# Altium PCB CGRA_Board_3.PcbDoc (part 6 of 7)
Units mil, origin at the board's own origin, x right, y up, seen from the top; angles counter-clockwise.
Board outline 10143 x 5538 mil, 10 copper layers (Top Layer, GND, Int2 (Sign), 1V8, Int4 (Sign), Int5 (Sign), 0V8_OUT, Int7 (Sign), GND (Plane4), Bottom Layer), stack 59.156 mil thick; 266 components, 396 nets, 2084 pads, 2900 vias.
Unrouted connection lines stored in the file: 464.
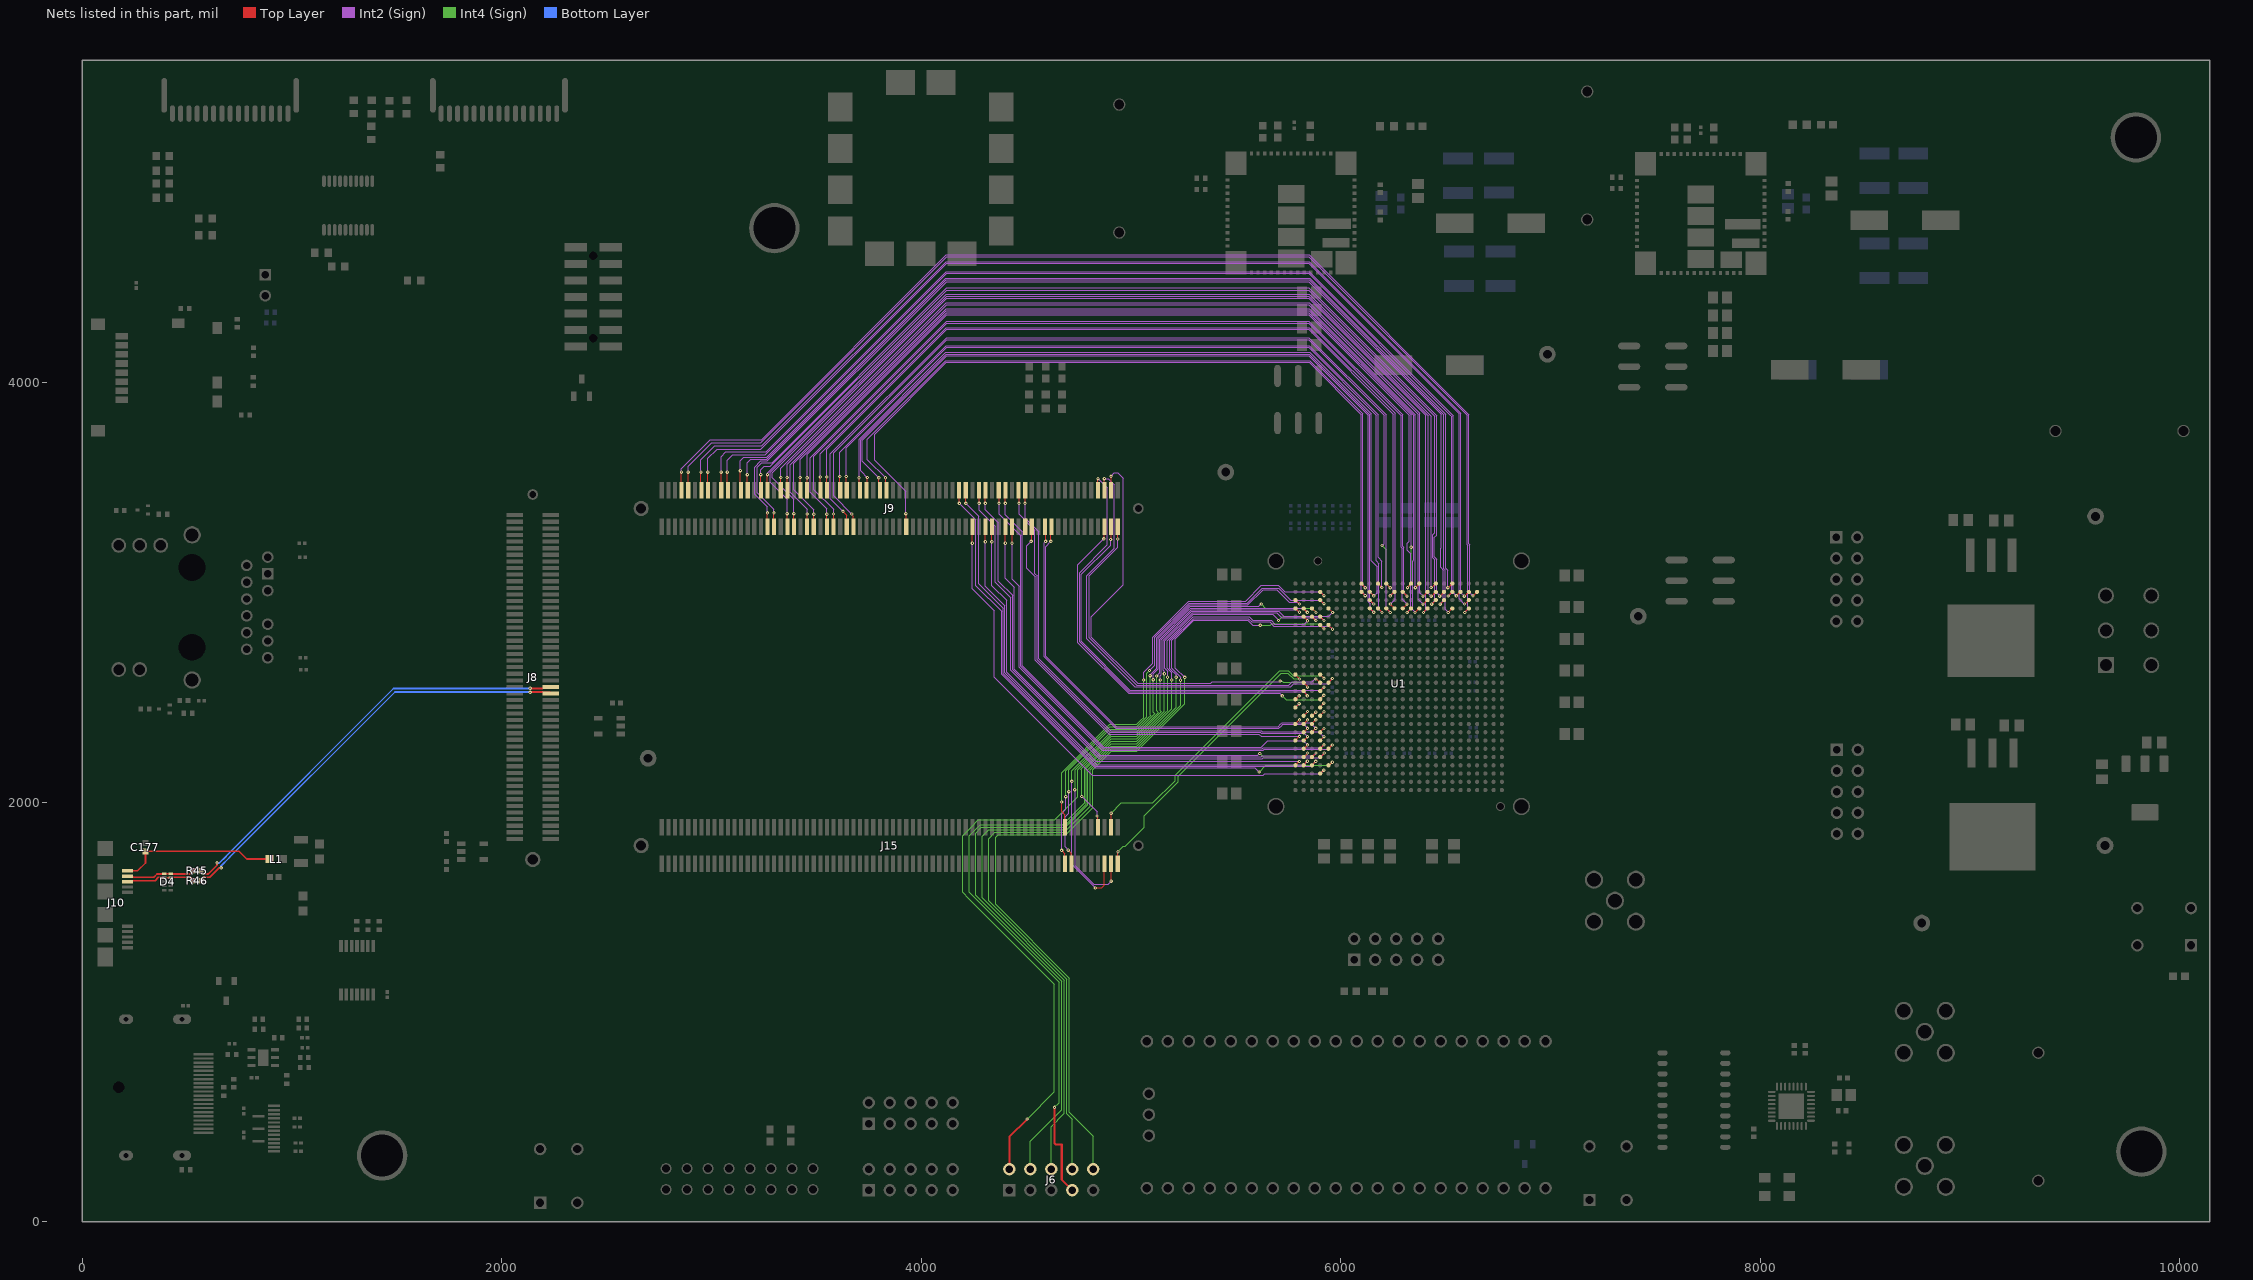
[diagram p14: the nets of this part, all layers, seen from the top]

## Via types
v1: diameter 22, hole 10, Top Layer to Bottom Layer, 1756 vias
v2: diameter 15.98, hole 4, Top Layer to Bottom Layer, 537 vias
v3: diameter 15.98, hole 4, Top Layer to Bottom Layer, tented both sides, 515 vias
v4: diameter 16, hole 4, Top Layer to Bottom Layer, 47 vias
v5: diameter 12, hole 6, Top Layer to Bottom Layer, 30 vias
v6: diameter 16, hole 8, Top Layer to Bottom Layer, 15 vias

## Nets (pads, with @x,y where several pads share a name; then routed paths per layer and width w, separated by ;. In a path a pad name is that pad's centre, name@x,y a point inside that pad or via, vN(x,y) a via of type N, cw(c..) or ccw(c..) an arc to the next point about the centre after c; other vN are vias at no path point) (continued)
tlx_rev_payload_tdata12: J9.75 U1.V2 | length 3965.1
  Top Layer w4: v2(3927,3376) 3927,3374.92 3928.74,3373.18 J9.75@3928.74,3314
  Top Layer w5: U1.V2@6098.71,3003.18 6098.71,3003 6116.5,2985.2 v3(6116.5,2985.02)
  Int2 (Sign) w4: v2(3927,3376) 3927,3482 3778,3631 3778,3755.61 4119.39,4097 5849.61,4097 6098,3848.61 6098,3005.65 6116.5,2987.15 v3(6116.5,2985.02)
tlx_rev_payload_tdata13: J9.70 U1.V1 | length 3763.4
  Top Layer w4: v2(3830,3547) 3830,3491.48 J9.70@3834.25,3487.23
  Top Layer w5: U1.V1@6098.71,3042.55 6098.71,3041.67 6116.5,3023.88 v3(6116.5,3023)
  Int2 (Sign) w4: v2(3830,3547) 3743.5,3633.5 3743.5,3731.71 4116.29,4104.5 5852.71,4104.5 6105.5,3851.71 6105.5,3036 6116.5,3025 v3(6116.5,3023)
tlx_rev_payload_tdata14: J9.68 U1.U4 | length 3946.4
  Top Layer w4: v2(3798,3547) 3798,3491.98 J9.68@3802.76,3487.23
  Top Layer w5: U1.U4@6138.08,2924.44 6138.24,2924.44 6156.78,2905.9 v3(6156.94,2905.9)
  Int2 (Sign) w4: v2(3798,3547) 3719,3626 3719,3726 4122,4129 5847,4129 6130,3846 6130,2955.74 6140.18,2945.56 6140.18,2922.67 v3(6156.94,2905.9)
tlx_rev_payload_tdata15: J9.64 U1.U3 | length 3910.2
  Top Layer w4: J9.64@3739.76,3487.23 3743.5,3490.96 v2(3743.5,3548)
  Top Layer w5: U1.U3@6138.08,2963.81 U1.U3@6138.08,2963.81 6156.94,2945 v3(6157,2945)
  Int2 (Sign) w4: v2(3743.5,3548) 3711,3580.5 3711,3728.61 4119.39,4137 5849.61,4137 6138,3848.61 6138,2964 v3(6157,2945)
tlx_rev_payload_tdata16: J9.62 U1.U2 | length 3893.5
  Top Layer w4: v2(3703.5,3547) 3703.5,3492 J9.62@3708.27,3487.23
  Top Layer w5: U1.U2@6138.08,3003.18 6138.08,3003.05 6157,2984.13 v3(6157,2984)
  Int2 (Sign) w4: v2(3703.5,3547) 3703.5,3731.71 4116.29,4144.5 5852.71,4144.5 6145.5,3851.71 6145.5,3150.33 6173,3122.83 6173,3000 v3(6157,2984)
tlx_rev_payload_tdata17: J9.58 U1.T4 | length 4042.9
  Top Layer w4: v2(3642.5,3553) 3642.5,3490 J9.58@3645.28,3487.23
  Top Layer w5: U1.T4@6177.45,2924.44 v3(6196.81,2905)
  Int2 (Sign) w4: v2(3642.5,3553) 3642.5,3689.5 4122,4169 5847,4169 6170,3846 6170,3150.33 6182,3138.33 6182,2919.81 v3(6196.81,2905)
tlx_rev_payload_tdata18: J9.56 U1.T1 | length 3954.2
  Top Layer w4: v2(3612,3553) 3612,3489.01 J9.56@3613.78,3487.23
  Top Layer w5: U1.T1@6177.45,3042.55 6177.45,3042.4 6196,3023.85 v3(6196,3023.7)
  Int2 (Sign) w4: v2(3612,3553) 3612,3669.61 4119.39,4177 5849.61,4177 6178,3848.61 6178,3167.1 6196,3149.1 v3(6196,3023.7)
tlx_rev_payload_tdata19: J9.59 U1.R1 | length 4260.6
  Top Layer w4: v2(3669,3374.11) 3669,3372 3676.77,3364.23 J9.59@3676.77,3314
  Top Layer w5: U1.R1@6216.82,3042.55 6216.82,3042.37 6236,3023.19 v3(6236,3023)
  Int2 (Sign) w4: v2(6196.81,3223.99) 6206.5,3233.68 6206.5,3846 5847,4205.5 4122,4205.5 3582,3665.5 3582,3461.11 v2(3669,3374.11) ; v2(3669,3374.11) 3669,3373.08 v2(3669,3374.11)
  Int4 (Sign) w4: v2(6196.81,3223.99) 6216,3204.8 6216,3043 v3(6236,3023)
tlx_rev_payload_tdata20: J9.57 U1.R4 | length 4388.1
  Top Layer w4: v2(3627,3387) 3645.28,3368.72 J9.57@3645.28,3314
  Top Layer w5: U1.R4@6216.82,2924.44 6216.82,2924.31 6236,2905.13 v3(6236,2905)
  Int2 (Sign) w4: v2(3627,3387) 3567,3447 3567,3661.11 4120.89,4215 5848.11,4215 6216,3847.11 6216,2925 v3(6236,2905)
tlx_rev_payload_tdata21: J9.52 U1.P2 | length 4202.7
  Top Layer w4: v2(3550,3551) 3550,3488.02 J9.52@3550.79,3487.23
  Top Layer w5: v3(6236,2984) 6236.5,2984 6255.69,3003.18 U1.P2@6256.19,3003.18
  Int2 (Sign) w4: v2(3550,3551) 3550,3683 4122,4255 5847,4255 6251,3851 6251,2999 v3(6236,2984)
tlx_rev_payload_tdata22: J9.50 U1.P4 | length 4280.4
  Top Layer w4: v2(3519,3551) 3519,3487.52 J9.50@3519.29,3487.23
  Top Layer w5: v3(6236.5,2945) 6236.5,2944.56 6256.19,2924.88 U1.P4@6256.19,2924.44
  Int2 (Sign) w4: v2(3519,3551) 3519,3662.61 4119.39,4263 5849.61,4263 6259,3853.61 6259,2967.5 v3(6236.5,2945)
tlx_rev_payload_tdata23: J9.53 U1.N4 | length 4559
  Top Layer w4: v2(3582,3374) 3582,3314.28 J9.53@3582.28,3314
  Top Layer w5: U1.N4@6295.56,2924.44 6295.65,2924.44 6315.78,2944.56 v3(6315.87,2944.56)
  Int2 (Sign) w4: v2(3582,3374) 3582,3396 3488,3490 3488,3650 4122,4284 5847,4284 6280.79,3850.21 6287.5,3843.5 6287.5,3216.89 6293.5,3210.89 6293.5,2966.93 v3(6315.87,2944.56)
tlx_rev_payload_tdata24: J9.51 U1.N2 | length 4542.5
  Top Layer w4: v2(3550,3373) 3550,3314.79 J9.51@3550.79,3314
  Top Layer w5: U1.N2@6295.56,3003.18 6295.69,3003.18 6315.87,2983 v3(6316,2983)
  Int2 (Sign) w4: v2(3550,3373) 3550,3399 3471,3478 3471,3643.61 4121.39,4294 5847.61,4294 6295,3846.61 6295,3220 6301,3214 6301,2998 v3(6316,2983)
tlx_rev_payload_tdata25: J9.46 U1.M4 | length 4501.7
  Top Layer w4: v2(3456,3547) 3456,3487.53 J9.46@3456.3,3487.23
  Top Layer w5: v3(6316.11,2905) 6316.11,2905.31 6334.93,2924.13 U1.M4@6334.93,2924.44
  Int2 (Sign) w4: v2(3456,3547) 3456,3658.62 4122,4324.62 5847,4324.62 6325.62,3846 6325.62,3244 6317.28,3235.66 6317.28,3202.72 6334.5,3185.5 6334.5,2923.39 v3(6316.11,2905)
tlx_rev_payload_tdata26: J9.44 U1.M1 | length 4410.4
  Top Layer w4: v2(3423,3548) 3423,3489.03 J9.44@3424.8,3487.23
  Top Layer w5: v3(6318,3023.02) 6318,3024.32 6334.93,3041.25 U1.M1@6334.93,3042.55
  Int2 (Sign) w4: v2(3423,3548) 3423,3636.22 4120.89,4334.12 5848.11,4334.12 6335.12,3847.11 v2(6335.12,3215.84)
  Int4 (Sign) w4: v3(6318,3023.02) 6335,3040.02 6335,3215.72 v2(6335.12,3215.84)
tlx_rev_payload_tdata27: J9.47 U1.L4 | length 4780.6
  Top Layer w4: J9.47@3487.8,3314 3488,3314.2 v2(3488,3373)
  Top Layer w5: v3(6354,2905) 6354.43,2905 6373.87,2924.44 U1.L4@6374.3,2924.44
  Int2 (Sign) w4: v2(3488,3373) 3488,3394 3393,3489 3393,3616.83 4119.17,4343 5849.83,4343 6348.62,3844.21 6348.62,3156.45 6342,3149.83 6342,2917 v3(6354,2905)
tlx_rev_payload_tdata28: J9.45 U1.L1 | length 4680.2
  Top Layer w4: v2(3456,3374.16) 3456,3314.3 J9.45@3456.3,3314
  Top Layer w5: v3(6355.5,3023.31) 6355.5,3023.53 6374.3,3042.33 U1.L1@6374.3,3042.55
  Int2 (Sign) w4: v2(3456,3374.16) 3456,3397 3375,3478 3375,3609.44 4119.18,4353.61 5849.82,4353.61 6356.12,3847.32 6356.12,3151.83 6354.61,3150.33 6354.61,3024.2 v3(6355.5,3023.31)
tlx_rev_payload_tdata29: J9.40 U1.K3 | length 4610.2
  Top Layer w4: v2(3361,3548) 3361,3546.92 3361.81,3546.11 J9.40@3361.81,3487.23
  Top Layer w5: v3(6392,2944.56) 6393.46,2944.56 6412.71,2963.81 U1.K3@6413.67,2963.81
  Int2 (Sign) w4: v2(3361,3548) 3361,3612 4122,4373 5847,4373 6369,3851 6369,2968.06 6392,2945.06 v3(6392,2944.56)
tlx_rev_payload_tdata30: J9.38 U1.K2 | length 4604.5
  Top Layer w4: J9.38@3330.32,3487.23 3331,3487.91 v2(3331,3548)
  Top Layer w5: v3(6392,2983) 6392.29,2983.29 6394.06,2983.29 6413.67,3002.9 U1.K2@6413.67,3003.18
  Int2 (Sign) w4: v2(3331,3548) 3331,3592.61 4120.39,4382 5848.61,4382 6369,3861.61 6376.5,3854.11 6376.5,2999 6392,2983.5 v3(6392,2983)
tlx_rev_payload_tdata31: J9.41 U1.K4 | length 4962.9
  Top Layer w4: v2(3393,3376) 3393.31,3375.69 J9.41@3393.31,3314
  Top Layer w5: v3(6394.24,2905) U1.K4@6413.67,2924.44
  Int2 (Sign) w4: v2(3393,3376) 3393,3444 3290,3547 3290,3571 4122,4403 5847,4403 6405.5,3844.5 6405.5,2916.26 v3(6394.24,2905)
tlx_rev_payload_tdata32: J9.39 U1.J2 | length 4908.5
  Top Layer w4: v2(3361,3376) 3361,3314.81 J9.39@3361.81,3314
  Top Layer w5: v3(6431,2983) 6431.07,2983.07 6433,2983.07 6453.04,3003.11 U1.J2@6453.04,3003.18
  Int2 (Sign) w4: v2(3361,3376) 3361,3445.5 3281.5,3525 3281.5,3573.11 4121.39,4413 5847.61,4413 6417,3843.61 6417,2997 v3(6431,2983)
tlx_rev_payload_tdata33: J9.34 U1.J1 | length 4685.7
  Top Layer w4: v2(3267,3562) 3267,3487.55 J9.34@3267.32,3487.23
  Top Layer w5: v3(6431,3023.85) 6432.67,3023.85 6451.37,3042.55 U1.J1@6453.04,3042.55
  Int2 (Sign) w4: v2(3267,3562) 3267,3569.21 4118.79,4421 5850.21,4421 6431,3840.21 v3(6431,3023.85)
tlx_rev_payload_tdata34: J9.32 U1.J3 | length 4853.1
  Top Layer w4: v2(3235,3562) 3235,3488.06 J9.32@3235.83,3487.23
  Top Layer w5: v3(6433,2944.56) 6433.4,2944.56 6452.64,2963.81 U1.J3@6453.04,2963.81
  Int2 (Sign) w4: v2(3235,3562) 3235,3584.61 3251.39,3601 3281.5,3601 4122,4441.5 5847,4441.5 6442.5,3846 6447.61,3840.89 6447.61,3284 6438.5,3274.89 6438.5,3166.95 6449,3156.45 6449,2960.56 v3(6433,2944.56)
tlx_rev_payload_tdata35: J9.35 U1.H2 | length 5064.4
  Top Layer w4: v2(3298,3380) 3298,3314.82 J9.35@3298.82,3314
  Top Layer w5: v3(6471.5,2983.07) 6471.85,2983.42 6473,2983.42 6492.41,3002.83 U1.H2@6492.41,3003.18
  Int2 (Sign) w4: v2(3298,3380) 3298,3396 3219,3475 3219,3597.61 3240.39,3619 3288.89,3619 4121.89,4452 5847.11,4452 6456.5,3842.61 6456.5,3273 6446,3262.5 6446,3170.06 6456.5,3159.56 6456.5,2999.57 6471.5,2984.57 v3(6471.5,2983.07)
tlx_rev_payload_tdata36: J9.33 U1.H3 | length 5155
  Top Layer w4: v2(3267,3380) 3267,3314.32 J9.33@3267.32,3314
  Top Layer w5: v3(6473.36,2944.56) 6473.36,2944.66 6492.41,2963.71 U1.H3@6492.41,2963.81
  Int2 (Sign) w4: v2(3267,3380) 3267,3408.39 3207,3468.39 3207,3598 3236,3627 3267,3627 4122,4482 5847,4482 6478.5,3850.5 6478.5,3214.41 6475.5,3211.41 6475.5,3119.89 6489.5,3105.89 6489.5,2960.71 v3(6473.36,2944.56)
tlx_rev_payload_tdata37: J9.28 U1.G4 | length 5059.8
  Top Layer w4: v2(3171,3562) 3171,3489.06 J9.28@3172.83,3487.23
  Top Layer w5: v3(6512.43,2905) U1.G4@6531.78,2924.44
  Int2 (Sign) w4: v2(3171,3562) 3171,3619 3187,3635 3264.39,3635 4120.39,4491 5848.61,4491 6492,3847.61 6492,3114 6497,3109 6497,2920.43 v3(6512.43,2905)
tlx_rev_payload_tdata38: J9.26 U1.G1 | length 4993.4
  Top Layer w4: v2(3138,3581) 3138,3490.57 J9.26@3141.34,3487.23
  Top Layer w5: v3(6510.5,3023.44) 6511.59,3023.44 6530.69,3042.55 U1.G1@6531.78,3042.55
  Int2 (Sign) w4: v2(3138,3581) 3138,3627 3155,3644 3262.79,3644 4117.79,4499 5851.21,4499 6500,3850.21 6500,3116.61 6510.5,3106.11 v3(6510.5,3023.44)
tlx_rev_payload_tdata39: J9.22 U1.G2 | length 5139.5
  Top Layer w4: v2(3076,3574) 3076,3489.57 J9.22@3078.35,3487.23
  Top Layer w5: v3(6512,2983.2) 6531.78,3002.98 U1.G2@6531.78,3003.18
  Int2 (Sign) w4: v2(3076,3574) 3076,3631 3101,3656 3257,3656 4122,4521 5847,4521 6522,3846 6528.5,3839.5 6528.5,2999.7 v3(6512,2983.2)
tlx_rev_payload_tdata40: J9.20 U1.F2 | length 5194
  Top Layer w4: v2(3046,3574) 3046,3572.92 3046.85,3572.07 J9.20@3046.85,3487.23
  Top Layer w5: v3(6551,2984.07) 6551.52,2984.07 6570.63,3003.18 U1.F2@6571.15,3003.18
  Int2 (Sign) w4: v2(3046,3574) 3046,3648 3069,3671 3261.39,3671 4120.39,4530 5848.61,4530 6536,3842.61 6536,2999.07 v3(6551,2984.07)
tlx_rev_payload_tdata41: J9.16 U1.E3 | length 5363.1
  Top Layer w4: v2(2983,3574) 2983,3488.09 J9.16@2983.86,3487.23
  Top Layer w5: v3(6589.5,2945) 6590.6,2945 6609.42,2963.81 U1.E3@6610.52,2963.81
  Int2 (Sign) w4: v2(2983,3574) 2983,3639 3028,3684 3236,3684 4122,4570 5847,4570 6565,3852 6565,2969.5 v3(6589.5,2945)
tlx_rev_payload_tdata42: J9.14 U1.E2 | length 5368.7
  Top Layer w4: v2(2950,3574) 2950,3489.59 J9.14@2952.36,3487.23
  Top Layer w5: v3(6589,2982.98) 6589.35,2983.33 6591,2983.33 6610.52,3002.85 U1.E2@6610.52,3003.18
  Int2 (Sign) w4: v2(2950,3574) 2950,3633 3016,3699 3240.39,3699 4118.89,4577.5 5850.11,4577.5 6572.5,3855.11 6572.5,3000 6587.6,2984.9 6587.6,2984.38 v3(6589,2982.98)
tlx_rev_payload_tdata43: J9.10 U1.E4 | length 5528.9
  Top Layer w4: v2(2889,3574) 2889,3487.6 J9.10@2889.37,3487.23
  Top Layer w5: v3(6591,2905) U1.E4@6610.52,2924.44
  Int2 (Sign) w4: v2(2889,3574) 2889,3601 3001,3713 3235,3713 4122,4600 5847,4600 6602.5,3844.5 6602.5,3228 6606,3224.5 6606,2920 v3(6591,2905)
tlx_rev_payload_tdata44: J9.8 U1.D2 | length 5492.9
  Top Layer w4: v2(2857,3574) 2857,3488.1 J9.8@2857.87,3487.23
  Top Layer w5: v3(6630,2984.3) 6630.5,2984.3 6649.39,3003.18 U1.D2@6649.89,3003.18
  Int2 (Sign) w4: v2(2857,3574) 2857,3590 2994.61,3727.61 3239,3727.61 4120.39,4609 5848.61,4609 6610,3847.61 6610,3233 6615,3228 6615,2999.3 v3(6630,2984.3)
tlx_rev_payload_tdata45: J9.95 U1.AC24 | length 2560.7
  Top Layer w4: J9.95@4243.7,3314 4244,3313.7 v2(4244,3235)
  Top Layer w5: U1.AC24@5901.86,2137.04 5902.38,2137.04 5918.82,2153.48 v3(5919.33,2153.48)
  Int2 (Sign) w4: v2(4244,3235) 4244,3017.99 4347.99,2914 4347.99,2595.85 4815.03,2128.81 5629.55,2128.81 5637.41,2136.66 5902.51,2136.66 v3(5919.33,2153.48)
tlx_rev_payload_tdata46: J9.92 U1.AB23 | length 2773.4
  Top Layer w4: J9.92@4180.71,3487.23 4180.71,3427.37 4182,3426.08 v2(4182,3425)
  Top Layer w5: U1.AB23@5941.23,2176.41 5944.09,2176.41 5958.82,2191.14 v3(5959.63,2191.14)
  Int2 (Sign) w4: v2(4182,3425) 4261,3346 4261,3033 4384.16,2909.84 4384.16,2610.83 4830.01,2164.98 5590.23,2164.98 v2(5611,2144.21)
  Int4 (Sign) w4: v2(5611,2144.21) 5642.79,2176 5944.49,2176 v3(5959.63,2191.14)
tlx_rev_payload_tdata47: J9.94 U1.AD23 | length 2655
  Top Layer w4: J9.94@4212.2,3487.23 4213,3486.43 v2(4213,3425)
  Top Layer w5: U1.AD23@5862.49,2176.41 5862.49,2176.63 5880.67,2194.81 v3(5880.67,2195.03)
  Int2 (Sign) w4: v2(4213,3425) 4274,3364 4274,3042.66 4391.66,2925 4391.66,2613.94 4833.12,2172.48 5858.11,2172.48 v3(5880.67,2195.03)
tlx_rev_payload_tdata48: J9.99 U1.AE23 | length 2392
  Top Layer w4: v2(4306,3242) 4306,3313.31 J9.99@4306.69,3314
  Top Layer w5: U1.AE23@5823.12,2176.41 5823.12,2177.15 5841,2195.03 v3(5841,2195.78)
  Int2 (Sign) w4: v2(4306,3242) 4306,3030.16 4399.16,2937 4399.16,2617.04 4836.23,2179.98 5825.2,2179.98 v3(5841,2195.78)
tlx_rev_payload_tdata49: J9.101 U1.AF23 | length 2321.9
  Top Layer w4: v2(4337,3242) 4337,3312.81 J9.101@4338.19,3314
  Top Layer w5: U1.AF23@5783.75,2176.41 5784.01,2176.41 5802.41,2194.81 v3(5802.67,2194.81)
  Int2 (Sign) w4: v2(4337,3242) 4337,3032.99 4406.66,2963.33 4406.66,2620.15 4832,2194.81 v3(5802.67,2194.81)
tlx_rev_payload_tdata50: J9.98 U1.AC22 | length 2627.1
  Top Layer w4: J9.98@4275.2,3487.23 4276,3486.43 v2(4276,3425)
  Top Layer w5: U1.AC22@5901.86,2215.78 v3(5921,2235)
  Int2 (Sign) w4: v2(4276,3425) 4276,3393 4353,3316 4353,3049 4427.68,2974.32 4427.68,2628.86 4848.04,2208.5 5625,2208.5 5630,2213.5 5899.5,2213.5 v3(5921,2235)
tlx_rev_payload_tdata51: J9.100 U1.AD22 | length 2563.5
  Top Layer w4: v2(4306,3425) 4306,3486.54 J9.100@4306.69,3487.23
  Top Layer w5: U1.AD22@5862.49,2215.78 5862.63,2215.78 5881.85,2235 v3(5882,2235)
  Int2 (Sign) w4: v2(4306,3425) 4306,3395 4368,3333 4368,3054 4435.18,2986.82 4435.18,2631.96 4851.15,2216 5620,2216 5625,2221 5868,2221 v3(5882,2235)
tlx_rev_payload_tdata52: J9.105 U1.AE22 | length 2311.3
  Top Layer w4: v2(4401,3235) 4401,3313.82 J9.105@4401.18,3314
  Top Layer w5: U1.AE22@5823.12,2215.78 5823.12,2216.14 5841.58,2234.6 v3(5841.58,2234.96)
  Int2 (Sign) w4: v2(4401,3235) 4401,3067 4442.68,3025.32 4442.68,2635.07 4854.25,2223.5 5604.11,2223.5 v2(5613.61,2233)
  Int4 (Sign) w4: v2(5613.61,2233) 5630.61,2216 5822.62,2216 v3(5841.58,2234.96)
tlx_rev_payload_tdata53: J9.107 U1.AB21 | length 2378.5
  Top Layer w4: J9.107@4432.68,3314 4433,3313.68 v2(4433,3235)
  Top Layer w5: U1.AB21@5941.23,2255.15 5941.36,2255.15 5959.63,2273.42 v3(5959.76,2273.42)
  Int2 (Sign) w4: v2(4433,3235) 4433,3063.68 4466.18,3030.5 4466.18,2644.8 4863.99,2247 5631,2247 5636,2252 5938.34,2252 v3(5959.76,2273.42)
tlx_rev_payload_tdata54: J9.104 U1.AC21 | length 2524.7
  Top Layer w4: J9.104@4369.69,3487.23 4371,3485.91 v2(4371,3425)
  Top Layer w5: U1.AC21@5901.86,2255.15 5901.86,2255.28 5920,2273.42 v3(5920,2273.56)
  Int2 (Sign) w4: v2(4371,3425) 4371,3374.16 4474.18,3270.98 4474.18,2648.12 4867.3,2255 5625,2255 5630,2260 5906.44,2260 v3(5920,2273.56)
tlx_rev_payload_tdata55: J9.106 U1.AE21 | length 2438.1
  Top Layer w4: v2(4401,3425) 4401,3487.05 J9.106@4401.18,3487.23
  Top Layer w5: U1.AE21@5823.12,2255.15 5823.12,2255.25 5841.58,2273.72 v3(5841.58,2273.82)
  Int2 (Sign) w4: v2(4401,3425) 4401,3369.66 4481.68,3288.98 4481.68,2651.22 4870.41,2262.5 5621.55,2262.5 5653.05,2294 5821.41,2294 v3(5841.58,2273.82)
tlx_rev_payload_tdata56: J9.111
tlx_rev_payload_tdata57: J9.113 U1.AF20 | length 2099.7
  Top Layer w4: v2(4524,3244) 4524,3245.08 4527.17,3248.25 J9.113@4527.17,3314
  Top Layer w5: U1.AF20@5783.75,2294.52 5783.75,2295.13 5803,2314.39 v3(5803,2314.5)
  Int2 (Sign) w4: v2(4524,3244) 4504,3224 4504,3115.68 4544.68,3075 4544.68,2677.32 4896.5,2325.5 5609.99,2325.5 5620.49,2315 5802.5,2315 v3(5803,2314.5)
tlx_rev_payload_tdata58: J9.110 U1.AE20 | length 2311
  Top Layer w4: J9.110@4464.17,3487.23 4466.18,3485.22 v2(4466.18,3425)
  Top Layer w5: U1.AE20@5823.12,2294.52 5823.2,2294.52 5841.5,2312.82 v3(5841.58,2312.82)
  Int2 (Sign) w4: v2(4466.18,3425) 4466.18,3373 4542,3297.18 4542,3090.18 4552.18,3080 4552.18,2680.43 4899.61,2333 5616.55,2333 5621.55,2328 5826.4,2328 v3(5841.58,2312.82)
tlx_rev_payload_tdata59: J9.112 U1.AC20 | length 2370.1
  Top Layer w4: v2(4495,3425) 4495,3486.56 J9.112@4495.67,3487.23
  Top Layer w5: U1.AC20@5901.86,2294.52 5901.86,2294.68 5920,2312.82 v3(5920,2312.98)
  Int2 (Sign) w4: v2(4495,3425) 4495,3354.79 4559.68,3290.11 4559.68,3080.5 4560.18,3080 4560.18,2683.74 4902.92,2341 5620,2341 5625.5,2335.5 5897.48,2335.5 v3(5920,2312.98)
tlx_rev_payload_tdata60: J9.117 U1.AE19 | length 2063.1
  Top Layer w4: J9.117@4590.16,3314 4593.18,3310.97 v2(4593.18,3244)
  Top Layer w5: U1.AE19@5823.12,2333.89 5823.12,2333.96 5841.58,2352.43 v3(5841.58,2352.5)
  Int2 (Sign) w4: v2(4593.18,3244) 4585.68,3236.5 4585.68,2694.3 4927.49,2352.5 5704.57,2352.5 5718.06,2365.99 5723.08,2371 5823.08,2371 v3(5841.58,2352.5)
tlx_rev_payload_tdata61: J9.119 U1.AD19 | length 2100.7
  Top Layer w4: v2(4618.18,3244) 4618.18,3310.53 J9.119@4621.65,3314
  Top Layer w5: U1.AD19@5862.49,2333.89 5862.49,2334.07 5880.73,2352.32 v3(5880.73,2352.5)
  Int2 (Sign) w4: v2(4618.18,3244) 4593.18,3219 4593.18,2697.41 4930.59,2360 5701.46,2360 5714.96,2373.5
  Int2 (Sign) w4.02: 5714.96,2373.5 5720.46,2379 5854.23,2379 v3(5880.73,2352.5)
tlx_rev_payload_tdata62: U1.AC19 | length 25.6
  Top Layer w5: U1.AC19@5901.86,2333.89 v3(5920,2352)
tlx_rev_payload_tdata63: U1.AF18 | length 27.7
  Top Layer w5: U1.AF18@5783.75,2373.26 5783.75,2373.5 5803,2392.76 v3(5803,2393)
tlx_rev_payload_tdata64: U1.AE18 | length 27.4
  Top Layer w5: U1.AE18@5823.12,2373.26 5823.12,2373.88 5841.62,2392.38 v3(5841.62,2393)
tlx_rev_payload_tdata65: U1.AD18 | length 27.5
  Top Layer w5: U1.AD18@5862.49,2373.26 5862.49,2373.71 5881.32,2392.55 v3(5881.32,2393)
tlx_rev_payload_tdata66: U1.AD17 | length 25
  Top Layer w5: U1.AD17@5862.8,2412.63 5880.28,2430.11 v3(5880.59,2430.11)
tlx_rev_payload_tdata67: U1.AE17 | length 28
  Top Layer w5: U1.AE17@5823.12,2412.63 5823.12,2413.58 5841.58,2432.05 v3(5841.58,2433)
tlx_rev_payload_tdata68: U1.AC17 | length 26.4
  Top Layer w5: U1.AC17@5901.86,2412.63 5901.86,2413.02 5919.96,2431.13 v3(5919.96,2431.52)
tlx_rev_payload_tdata69: U1.AF16 | length 26.6
  Top Layer w5: U1.AF16@5783.75,2452 5783.75,2452.28 5801.69,2470.22 v3(5801.69,2470.5)
  Int2 (Sign) w4: v3@5801.19,2470 v3(5801.69,2470.5)
tlx_rev_payload_tdata70: U1.AC16 | length 27.7
  Top Layer w5: U1.AC16@5901.86,2452 5901.86,2454.17 5919.33,2471.65 v3(5919.33,2472.46)
tlx_rev_payload_tdata71: U1.AF15 | length 24.6
  Top Layer w5: U1.AF15@5783.75,2491.37 5784.68,2491.37 5800.76,2507.44 v3(5801.69,2507.44)